# Altium PCB HMI_Board.PcbDoc (part 1 of 3) (continued)
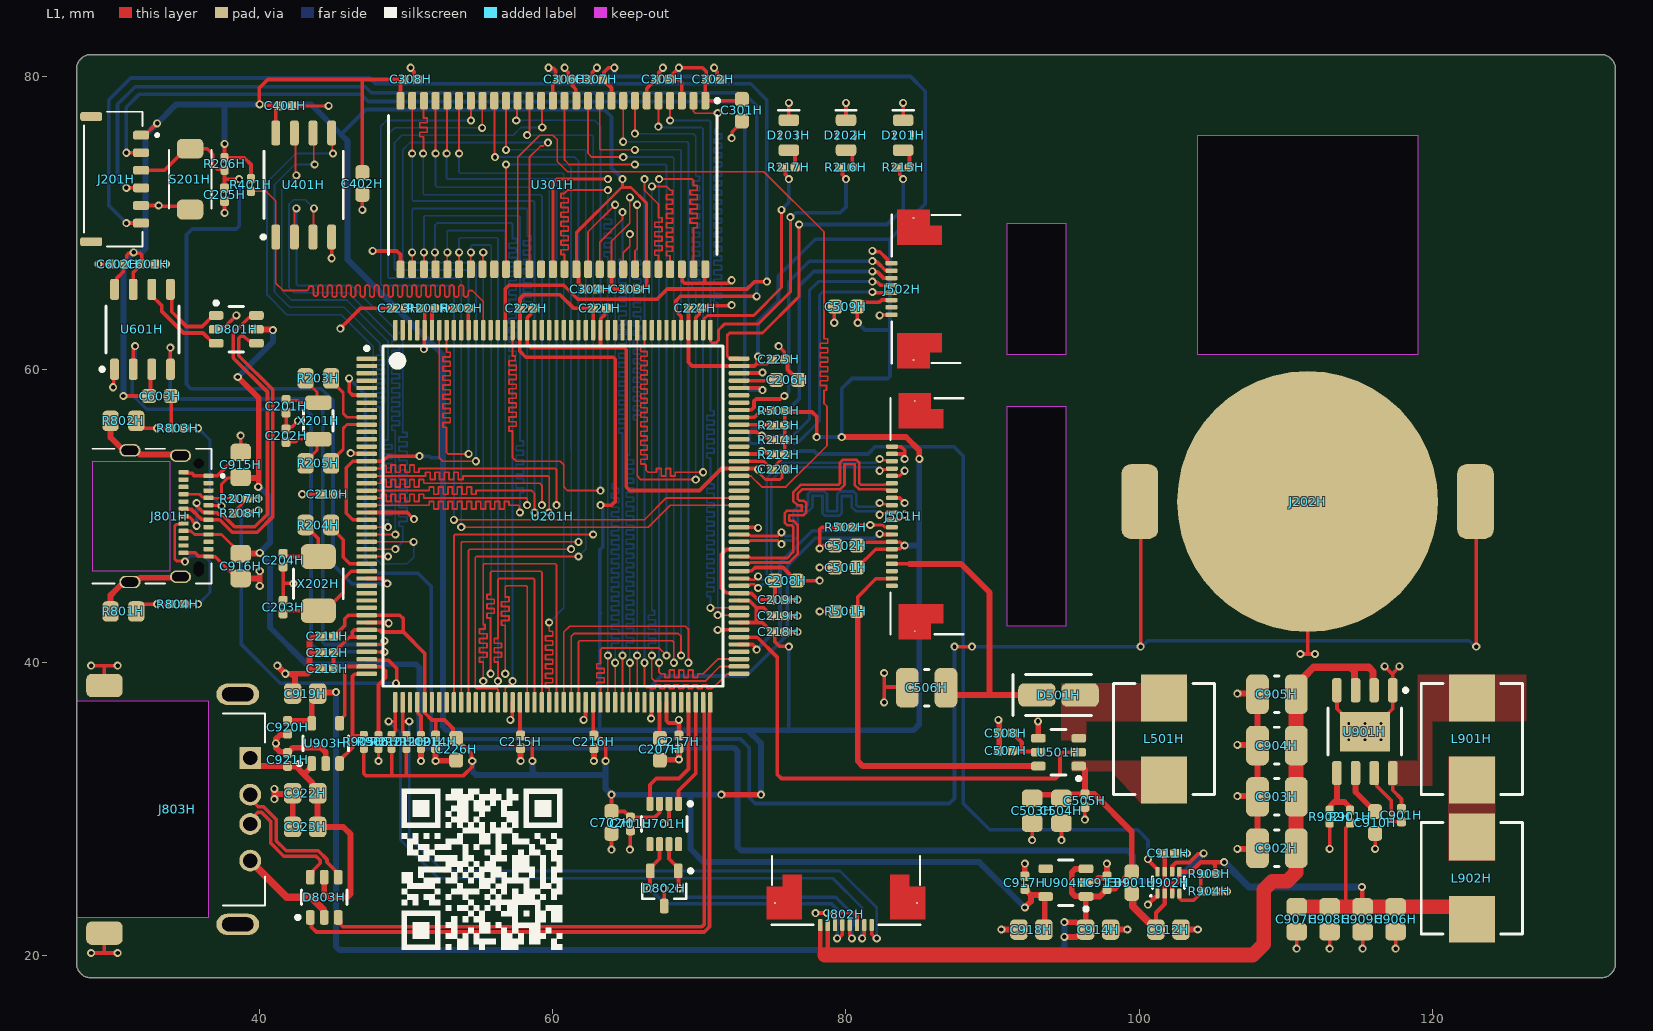
[diagram p0: L1 view]
## Part data (continued)
C205H C209H C210H C211H C212H C213H C214H C215H C216H C217H C218H C219H C220H C221H C222H C223H C224H C225H C302H C303H C304H C305H C306H C307H C308H C401H C505H C507H C508H C601H C602H C701H C901H C911H C913H C917H C920H C921H: "16V 100nF X7R ±10% 0402 Multilayer Ceramic Capacitors MLCC - SMD/SMT ROHS", Manufacturer="Samsung Electro-Mechanics", Manufacturer Part Number=CL05B104KO5NNNC, Supplier Part Number=C1525, ComponentLink1Description=https://datasheet.octopart.com:443/CL05B104KO5NNNC-Samsung-Electro-Mechanics-datasheet-181960518.pdf?src-supplier=IHS, ComponentLink1URL=https://datasheet.octopart.com:443/CL05B104KO5NNNC-Samsung-Electro-Mechanics-datasheet-181960518.pdf?src-supplier=IHS, ComponentLink2Description=https://datasheet.octopart.com:443/CL05B104KO5NNNC-Samsung-Electro-Mechanics-datasheet-81461623.pdf?src-supplier=Upverter, ComponentLink2URL=https://datasheet.octopart.com:443/CL05B104KO5NNNC-Samsung-Electro-Mechanics-datasheet-81461623.pdf?src-supplier=Upverter, ComponentLink3Description=https://datasheet.octopart.com/CL05B104KO5NNNC-Samsung-Electro-Mechanics-datasheet-8324245.pdf, ComponentLink3URL=https://datasheet.octopart.com/CL05B104KO5NNNC-Samsung-Electro-Mechanics-datasheet-8324245.pdf, ComponentLink4Description=https://datasheet.octopart.com/CL05B104KO5NNNC-Samsung-Electro-Mechanics-datasheet-97040617.pdf, ComponentLink4URL=https://datasheet.octopart.com/CL05B104KO5NNNC-Samsung-Electro-Mechanics-datasheet-97040617.pdf, ComponentLink5Description=https://datasheet.octopart.com/General-Multilayer-Ceramic-Capacitors-Samsung-datasheet-family-111.pdf, ComponentLink5URL=https://datasheet.octopart.com/General-Multilayer-Ceramic-Capacitors-Samsung-datasheet-family-111.pdf, ComponentLink6Description=https://datasheet.octopart.com:443/CL05B104KO5NNNC-Samsung-Electro-Mechanics-datasheet-141346863.pdf?src-supplier=Samsung+SCT, ComponentLink6URL=https://datasheet.octopart.com:443/CL05B104KO5NNNC-Samsung-Electro-Mechanics-datasheet-141346863.pdf?src-supplier=Samsung+SCT, ComponentLink7Description=https://datasheet.octopart.com:443/CL05B104KO5NNNC-Samsung-datasheet-151956582.pdf?src-supplier=SOS+electronic, ComponentLink7URL=https://datasheet.octopart.com:443/CL05B104KO5NNNC-Samsung-datasheet-151956582.pdf?src-supplier=SOS+electronic, ComponentLink8Description=https://datasheet.octopart.com:443/CL05B104KO5NNNC-Samsung-datasheet-42485123.pdf?src-supplier=Future+Electronics, ComponentLink8URL=https://datasheet.octopart.com:443/CL05B104KO5NNNC-Samsung-datasheet-42485123.pdf?src-supplier=Future+Electronics, ComponentLink9Description=https://datasheet.octopart.com:443/CL05B104KO5NNNC-Samsung-datasheet-34153835.pdf?src-supplier=Future+Electronics, ComponentLink9URL=https://datasheet.octopart.com:443/CL05B104KO5NNNC-Samsung-datasheet-34153835.pdf?src-supplier=Future+Electronics, ComponentLink10Description=https://datasheet.octopart.com:443/CL05B104KO5NNNC-Samsung-datasheet-26589024.pdf?src-supplier=Future+Electronics, ComponentLink10URL=https://datasheet.octopart.com:443/CL05B104KO5NNNC-Samsung-datasheet-26589024.pdf?src-supplier=Future+Electronics, ComponentLink11Description=https://datasheet.octopart.com:443/CL05B104KO5NNNC-Samsung-Electro-Mechanics-datasheet-149136714.pdf?src-supplier=Future+Electronics, ComponentLink11URL=https://datasheet.octopart.com:443/CL05B104KO5NNNC-Samsung-Electro-Mechanics-datasheet-149136714.pdf?src-supplier=Future+Electronics, ComponentLink12Description=https://datasheet.octopart.com:443/CL05B104KO5NNNC-Samsung-datasheet-59220082.pdf?src-supplier=TME, ComponentLink12URL=https://datasheet.octopart.com:443/CL05B104KO5NNNC-Samsung-datasheet-59220082.pdf?src-supplier=TME, ComponentLink13Description=http://sigma.octopart.com:80/rohs_certificate/General-Multilayer-Ceramic-Capacitors-Samsung-family-110.pdf?src-supplier=Compliance+Statements, ComponentLink13URL=http://sigma.octopart.com:80/rohs_certificate/General-Multilayer-Ceramic-Capacitors-Samsung-family-110.pdf?src-supplier=Compliance+Statements, ComponentLink14Description=http://sigma.octopart.com:80/rohs_statement/General-Multilayer-Ceramic-Capacitors-Samsung-family-132.pdf?src-supplier=Compliance+Statements, ComponentLink14URL=http://sigma.octopart.com:80/rohs_statement/General-Multilayer-Ceramic-Capacitors-Samsung-family-132.pdf?src-supplier=Compliance+Statements, ComponentLink15Description=http://sigma.octopart.com:80/reach_statement/General-Multilayer-Ceramic-Capacitors-Samsung-family-133.pdf?src-supplier=Compliance+Statements, ComponentLink15URL=http://sigma.octopart.com:80/reach_statement/General-Multilayer-Ceramic-Capacitors-Samsung-family-133.pdf?src-supplier=Compliance+Statements, Supplier=LCSC
C206H C207H C208H C226H C301H C402H C501H C502H C509H C603H C702H C910H: "16V 2.2uF X5R ±10% 0603 Multilayer Ceramic Capacitors MLCC - SMD/SMT ROHS", Manufacturer="Samsung Electro-Mechanics", Manufacturer Part Number=CL10A225KO8NNNC, Supplier Part Number=C23630, ComponentLink1Description=https://datasheet.octopart.com:443/CL10A225KO8NNNC-Samsung-Electro-Mechanics-datasheet-136031763.pdf?src-supplier=IHS, ComponentLink1URL=https://datasheet.octopart.com:443/CL10A225KO8NNNC-Samsung-Electro-Mechanics-datasheet-136031763.pdf?src-supplier=IHS, ComponentLink2Description=https://datasheet.octopart.com/CL10A225KO8NNNC-Samsung-Electro-Mechanics-datasheet-8324245.pdf, ComponentLink2URL=https://datasheet.octopart.com/CL10A225KO8NNNC-Samsung-Electro-Mechanics-datasheet-8324245.pdf, ComponentLink3Description=https://datasheet.octopart.com/CL10A225KO8NNNC-Samsung-Electro-Mechanics-datasheet-97040617.pdf, ComponentLink3URL=https://datasheet.octopart.com/CL10A225KO8NNNC-Samsung-Electro-Mechanics-datasheet-97040617.pdf, ComponentLink4Description=https://datasheet.octopart.com/General-Multilayer-Ceramic-Capacitors-Samsung-datasheet-family-111.pdf, ComponentLink4URL=https://datasheet.octopart.com/General-Multilayer-Ceramic-Capacitors-Samsung-datasheet-family-111.pdf, ComponentLink5Description=https://datasheet.octopart.com:443/CL10A225KO8NNNC-Samsung-Electro-Mechanics-datasheet-110326828.pdf?src-supplier=Future+Electronics, ComponentLink5URL=https://datasheet.octopart.com:443/CL10A225KO8NNNC-Samsung-Electro-Mechanics-datasheet-110326828.pdf?src-supplier=Future+Electronics, ComponentLink6Description=https://datasheet.octopart.com:443/CL10A225KO8NNNC-Samsung-Electro-Mechanics-datasheet-81461797.pdf?src-supplier=Future+Electronics, ComponentLink6URL=https://datasheet.octopart.com:443/CL10A225KO8NNNC-Samsung-Electro-Mechanics-datasheet-81461797.pdf?src-supplier=Future+Electronics, ComponentLink7Description=https://datasheet.octopart.com:443/CL10A225KO8NNNC-Samsung-datasheet-48647245.pdf?src-supplier=Future+Electronics, ComponentLink7URL=https://datasheet.octopart.com:443/CL10A225KO8NNNC-Samsung-datasheet-48647245.pdf?src-supplier=Future+Electronics, ComponentLink8Description=https://datasheet.octopart.com:443/CL10A225KO8NNNC-Samsung-datasheet-26589124.pdf?src-supplier=Future+Electronics, ComponentLink8URL=https://datasheet.octopart.com:443/CL10A225KO8NNNC-Samsung-datasheet-26589124.pdf?src-supplier=Future+Electronics, ComponentLink9Description=https://datasheet.octopart.com:443/CL10A225KO8NNNC-Samsung-Electro-Mechanics-datasheet-149156492.pdf?src-supplier=Future+Electronics, ComponentLink9URL=https://datasheet.octopart.com:443/CL10A225KO8NNNC-Samsung-Electro-Mechanics-datasheet-149156492.pdf?src-supplier=Future+Electronics, ComponentLink10Description=https://datasheet.octopart.com:443/CL10A225KO8NNNC-Samsung-Electro-Mechanics-datasheet-11768396.pdf?src-supplier=Arrow+Electronics, ComponentLink10URL=https://datasheet.octopart.com:443/CL10A225KO8NNNC-Samsung-Electro-Mechanics-datasheet-11768396.pdf?src-supplier=Arrow+Electronics, ComponentLink11Description=https://datasheet.octopart.com:443/CL10A225KO8NNNC-Samsung-datasheet-59220082.pdf?src-supplier=TME, ComponentLink11URL=https://datasheet.octopart.com:443/CL10A225KO8NNNC-Samsung-datasheet-59220082.pdf?src-supplier=TME, ComponentLink12Description=http://sigma.octopart.com:80/rohs_certificate/General-Multilayer-Ceramic-Capacitors-Samsung-family-110.pdf?src-supplier=Compliance+Statements, ComponentLink12URL=http://sigma.octopart.com:80/rohs_certificate/General-Multilayer-Ceramic-Capacitors-Samsung-family-110.pdf?src-supplier=Compliance+Statements, ComponentLink13Description=http://sigma.octopart.com:80/rohs_statement/General-Multilayer-Ceramic-Capacitors-Samsung-family-132.pdf?src-supplier=Compliance+Statements, ComponentLink13URL=http://sigma.octopart.com:80/rohs_statement/General-Multilayer-Ceramic-Capacitors-Samsung-family-132.pdf?src-supplier=Compliance+Statements, ComponentLink14Description=http://sigma.octopart.com:80/reach_statement/General-Multilayer-Ceramic-Capacitors-Samsung-family-133.pdf?src-supplier=Compliance+Statements, ComponentLink14URL=http://sigma.octopart.com:80/reach_statement/General-Multilayer-Ceramic-Capacitors-Samsung-family-133.pdf?src-supplier=Compliance+Statements, Supplier=LCSC
C503H C504H C906H C907H C908H C909H C912H C914H C915H C916H C918H C919H C922H C923H: "Multilayer Ceramic Capacitor, 22 uF, 25 V, ± 20%, X5R, 0805 [2012 Metric]", Manufacturer="Samsung Electro-Mechanics", Manufacturer Part Number=CL21A226MAQNNNE, Supplier Part Number=C45783, ComponentLink1Description=https://datasheet.octopart.com:443/CL21A226MAQNNNE-Samsung-Electro-Mechanics-datasheet-182022794.pdf?src-supplier=IHS, ComponentLink1URL=https://datasheet.octopart.com:443/CL21A226MAQNNNE-Samsung-Electro-Mechanics-datasheet-182022794.pdf?src-supplier=IHS, ComponentLink2Description=https://datasheet.octopart.com/CL21A226MAQNNNE-Samsung-Electro-Mechanics-datasheet-97040617.pdf, ComponentLink2URL=https://datasheet.octopart.com/CL21A226MAQNNNE-Samsung-Electro-Mechanics-datasheet-97040617.pdf, ComponentLink3Description=https://datasheet.octopart.com/CL21A226MAQNNNE-Samsung-Electro-Mechanics-datasheet-8324245.pdf, ComponentLink3URL=https://datasheet.octopart.com/CL21A226MAQNNNE-Samsung-Electro-Mechanics-datasheet-8324245.pdf, ComponentLink4Description=https://datasheet.octopart.com:443/CL21A226MAQNNNE-Samsung-Electro-Mechanics-datasheet-87580133.pdf?src-supplier=Future+Electronics, ComponentLink4URL=https://datasheet.octopart.com:443/CL21A226MAQNNNE-Samsung-Electro-Mechanics-datasheet-87580133.pdf?src-supplier=Future+Electronics, ComponentLink5Description=https://datasheet.octopart.com:443/CL21A226MAQNNNE-Samsung-Electro-Mechanics-datasheet-81462139.pdf?src-supplier=Future+Electronics, ComponentLink5URL=https://datasheet.octopart.com:443/CL21A226MAQNNNE-Samsung-Electro-Mechanics-datasheet-81462139.pdf?src-supplier=Future+Electronics, ComponentLink6Description=https://datasheet.octopart.com:443/CL21A226MAQNNNE-Samsung-datasheet-66660282.pdf?src-supplier=Future+Electronics, ComponentLink6URL=https://datasheet.octopart.com:443/CL21A226MAQNNNE-Samsung-datasheet-66660282.pdf?src-supplier=Future+Electronics, ComponentLink7Description=https://datasheet.octopart.com:443/CL21A226MAQNNNE-Samsung-datasheet-48647558.pdf?src-supplier=Future+Electronics, ComponentLink7URL=https://datasheet.octopart.com:443/CL21A226MAQNNNE-Samsung-datasheet-48647558.pdf?src-supplier=Future+Electronics, ComponentLink8Description=https://datasheet.octopart.com:443/CL21A226MAQNNNE-Samsung-datasheet-27135701.pdf?src-supplier=Future+Electronics, ComponentLink8URL=https://datasheet.octopart.com:443/CL21A226MAQNNNE-Samsung-datasheet-27135701.pdf?src-supplier=Future+Electronics, ComponentLink9Description=https://datasheet.octopart.com:443/CL21A226MAQNNNE-Samsung-Electro-Mechanics-datasheet-149154242.pdf?src-supplier=Future+Electronics, ComponentLink9URL=https://datasheet.octopart.com:443/CL21A226MAQNNNE-Samsung-Electro-Mechanics-datasheet-149154242.pdf?src-supplier=Future+Electronics, ComponentLink10Description=https://datasheet.octopart.com:443/CL21A226MAQNNNE-Samsung-datasheet-59220082.pdf?src-supplier=TME, ComponentLink10URL=https://datasheet.octopart.com:443/CL21A226MAQNNNE-Samsung-datasheet-59220082.pdf?src-supplier=TME, Supplier=LCSC
C506H C902H C903H C904H C905H: "100V 10uF X7S ±10% 1210 Multilayer Ceramic Capacitors MLCC - SMD/SMT ROHS", Manufacturer=Murata, Manufacturer Part Number=GRM32EC72A106KE05L, Supplier Part Number=C576517, ComponentLink1Description=https://datasheet.octopart.com:443/GRM32EC72A106KE05L-Murata-datasheet-141281477.pdf?src-supplier=Geoflip, ComponentLink1URL=https://datasheet.octopart.com:443/GRM32EC72A106KE05L-Murata-datasheet-141281477.pdf?src-supplier=Geoflip, ComponentLink2Description=https://datasheet.octopart.com:443/GRM32EC72A106KE05L-Murata-datasheet-165579666.pdf?src-supplier=TME, ComponentLink2URL=https://datasheet.octopart.com:443/GRM32EC72A106KE05L-Murata-datasheet-165579666.pdf?src-supplier=TME, ComponentLink3Description=https://datasheet.octopart.com:443/GRM32EC72A106KE05L-Murata-datasheet-140709574.pdf?src-supplier=Ciiva, ComponentLink3URL=https://datasheet.octopart.com:443/GRM32EC72A106KE05L-Murata-datasheet-140709574.pdf?src-supplier=Ciiva, ComponentLink4Description=https://datasheet.octopart.com:443/GRM32EC72A106KE05L-Murata-datasheet-138746841.pdf?src-supplier=Ciiva, ComponentLink4URL=https://datasheet.octopart.com:443/GRM32EC72A106KE05L-Murata-datasheet-138746841.pdf?src-supplier=Ciiva, ComponentLink5Description=https://datasheet.octopart.com/GRM32EC72A106KE05L-Murata-datasheet-12515295.pdf, ComponentLink5URL=https://datasheet.octopart.com/GRM32EC72A106KE05L-Murata-datasheet-12515295.pdf, ComponentLink6Description=https://datasheet.octopart.com/GRM32EC72A106KE05L-Murata-datasheet-12510076.pdf, ComponentLink6URL=https://datasheet.octopart.com/GRM32EC72A106KE05L-Murata-datasheet-12510076.pdf, ComponentLink7Description=https://datasheet.octopart.com/GRM32EC72A106KE05L-Murata-datasheet-11978611.pdf, ComponentLink7URL=https://datasheet.octopart.com/GRM32EC72A106KE05L-Murata-datasheet-11978611.pdf, ComponentLink8Description=https://datasheet.octopart.com/GRM32EC72A106KE05L-Murata-datasheet-10025737.pdf, ComponentLink8URL=https://datasheet.octopart.com/GRM32EC72A106KE05L-Murata-datasheet-10025737.pdf, ComponentLink9Description=https://datasheet.octopart.com/GRM32EC72A106KE05L-Murata-datasheet-8819587.pdf, ComponentLink9URL=https://datasheet.octopart.com/GRM32EC72A106KE05L-Murata-datasheet-8819587.pdf, ComponentLink10Description=http://sigma.octopart.com:80/reach_statement/Murata-company-16.pdf?src-supplier=Compliance+Statements, ComponentLink10URL=http://sigma.octopart.com:80/reach_statement/Murata-company-16.pdf?src-supplier=Compliance+Statements, Supplier=LCSC
D201H D202H D203H: "-30℃~+85℃ 1.6V~2.6V 130° 195mcd 25mA 615nm~630nm 630nm 65mW Discrete Diode Red 0805 LED Indication - Discrete ROHS", Manufacturer="Foshan NationStar Optoelectronics", Supplier Part Number=C84256, Manufacturer Part Number=NCD0805R1, Supplier=LCSC
D501H: "Schottky Diode, 2A 100V", Manufacturer="MDD(Microdiode Semiconductor)", Supplier Part Number=C14996, Manufacturer Part Number=SS210, Supplier=LCSC
D801H D803H: "-40℃~+125℃ 150nA 17V 2 3.5pF 5.25V 5A 6V ESD IEC 61000-4-2 Unidirectional SOT-23-6L ESD and Surge Protection (TVS/ESD) ROHS", Manufacturer=STMicroelectronics, Supplier Part Number=C7519, ComponentLink1Description=https://datasheet.octopart.com:443/USBLC6-2P6-STMicroelectronics-datasheet-10412581.pdf?src-supplier=element14+APAC, ComponentLink1URL=https://datasheet.octopart.com:443/USBLC6-2P6-STMicroelectronics-datasheet-10412581.pdf?src-supplier=element14+APAC, ComponentLink2Description=https://datasheet.octopart.com:443/USBLC6-2P6-STMicroelectronics-datasheet-525477.pdf?src-supplier=Factory+Futures, ComponentLink2URL=https://datasheet.octopart.com:443/USBLC6-2P6-STMicroelectronics-datasheet-525477.pdf?src-supplier=Factory+Futures, ComponentLink3Description=https://datasheet.octopart.com:443/USBLC6-2P6-STMicroelectronics-datasheet-181961833.pdf?src-supplier=Newark, ComponentLink3URL=https://datasheet.octopart.com:443/USBLC6-2P6-STMicroelectronics-datasheet-181961833.pdf?src-supplier=Newark, ComponentLink4Description=https://datasheet.octopart.com:443/USBLC6-2P6-STMicroelectronics-datasheet-46285.pdf?src-supplier=Farnell, ComponentLink4URL=https://datasheet.octopart.com:443/USBLC6-2P6-STMicroelectronics-datasheet-46285.pdf?src-supplier=Farnell, ComponentLink5Description=https://datasheet.octopart.com:443/USBLC6-2P6-STMicroelectronics-datasheet-14050643.pdf?src-supplier=iiiC, ComponentLink5URL=https://datasheet.octopart.com:443/USBLC6-2P6-STMicroelectronics-datasheet-14050643.pdf?src-supplier=iiiC, ComponentLink6Description=https://datasheet.octopart.com:443/USBLC6-2P6-STMicroelectronics-datasheet-7828165.pdf?src-supplier=Jameco, ComponentLink6URL=https://datasheet.octopart.com:443/USBLC6-2P6-STMicroelectronics-datasheet-7828165.pdf?src-supplier=Jameco, Manufacturer Part Number=USBLC6-2SC6, Supplier=LCSC
D802H: "Automotive, dual 1.75pF ±24-V ±20-kV ESD protection diode for in-vehicle networks", Manufacturer="Texas Instruments", Supplier Part Number=C20345393, ComponentLink1Description=https://sigma.octopart.com:443/179129137/technical_drawing/Texas-Instruments-ESD2CANXL24DBZRQ1.pdf?src-supplier=Texas+Instruments, ComponentLink1URL=https://sigma.octopart.com:443/179129137/technical_drawing/Texas-Instruments-ESD2CANXL24DBZRQ1.pdf?src-supplier=Texas+Instruments, ComponentLink2Description=https://octopart.com:443/opatz8j6/c1?t=lNR_6sRHLPKw7P8s1f-P04G22oHVbNzLWIWsPGfWTXZ9XRQIvcA5wj7aC-3bH0hinutt4AnjL7p6lgyA7lOHjNt8nBmo7xetRU4eexJqdWdGJCmrDm-BWyIS_TvcQf3t1-nq1wS0AqH4-vRTWGrmWgud7pC0fyJDAEbjYJVT_McMvhHa8-DYyuNa33bEgm-4l-4f_LsuvkAfuxVyDYdP7eVVi8b2TRcUoqK1F4h2YfS05PEe3uCTNQAZT15EaK8Rv7aQinqmq15SoS-3EdZkqgYMfTiBeQ057CxLqHSGnbTzgE5D5or64hT-WVm7dN6eS7KK1x9JT8od4UsAxEVxyxTWGLSfv0bhoA6oAuQ233aPK6tgUaVUJzFwomW_15-JhpjxqKHvsXcmqo3K&src-supplier=Texas+Instruments, ComponentLink2URL=https://octopart.com:443/opatz8j6/c1?t=lNR_6sRHLPKw7P8s1f-P04G22oHVbNzLWIWsPGfWTXZ9XRQIvcA5wj7aC-3bH0hinutt4AnjL7p6lgyA7lOHjNt8nBmo7xetRU4eexJqdWdGJCmrDm-BWyIS_TvcQf3t1-nq1wS0AqH4-vRTWGrmWgud7pC0fyJDAEbjYJVT_McMvhHa8-DYyuNa33bEgm-4l-4f_LsuvkAfuxVyDYdP7eVVi8b2TRcUoqK1F4h2YfS05PEe3uCTNQAZT15EaK8Rv7aQinqmq15SoS-3EdZkqgYMfTiBeQ057CxLqHSGnbTzgE5D5or64hT-WVm7dN6eS7KK1x9JT8od4UsAxEVxyxTWGLSfv0bhoA6oAuQ233aPK6tgUaVUJzFwomW_15-JhpjxqKHvsXcmqo3K&src-supplier=Texas+Instruments, ComponentLink3Description=https://sigma.octopart.com:443/169406038/technical_drawing/Texas-Instruments-ESD2CANXL24DBZRQ1.pdf?src-supplier=Texas+Instruments, ComponentLink3URL=https://sigma.octopart.com:443/169406038/technical_drawing/Texas-Instruments-ESD2CANXL24DBZRQ1.pdf?src-supplier=Texas+Instruments, ComponentLink4Description=http://sigma.octopart.com:80/reach_statement/Texas-Instruments-company-64.pdf?src-supplier=Compliance+Statements, ComponentLink4URL=http://sigma.octopart.com:80/reach_statement/Texas-Instruments-company-64.pdf?src-supplier=Compliance+Statements, ComponentLink5Description=http://sigma.octopart.com:80/conflict_mineral_statement/Texas-Instruments-company-63.pdf?src-supplier=Compliance+Statements, ComponentLink5URL=http://sigma.octopart.com:80/conflict_mineral_statement/Texas-Instruments-company-63.pdf?src-supplier=Compliance+Statements, Manufacturer Part Number=ESD2CANXL24DBZRQ1, Supplier=LCSC
FB901H: "Ferrite Beads Multi-Layer Chip Bead 30Ohm 25% 100MHz 5A 0603 Paper T/R", Manufacturer=Murata, Supplier Part Number=C88982, ComponentLink1Description=https://datasheet.octopart.com:443/BLM18KG300TN1D-Murata-datasheet-180806579.pdf?src-supplier=IHS, ComponentLink1URL=https://datasheet.octopart.com:443/BLM18KG300TN1D-Murata-datasheet-180806579.pdf?src-supplier=IHS, ComponentLink2Description=https://datasheet.octopart.com:443/BLM18KG300TN1D-Murata-datasheet-32036517.pdf?src-supplier=Newark, ComponentLink2URL=https://datasheet.octopart.com:443/BLM18KG300TN1D-Murata-datasheet-32036517.pdf?src-supplier=Newark, ComponentLink3Description=https://datasheet.octopart.com:443/BLM18KG300TN1D-Murata-datasheet-141257998.pdf?src-supplier=Ciiva, ComponentLink3URL=https://datasheet.octopart.com:443/BLM18KG300TN1D-Murata-datasheet-141257998.pdf?src-supplier=Ciiva, ComponentLink4Description=https://datasheet.octopart.com:443/BLM18KG300TN1D-Murata-datasheet-138707124.pdf?src-supplier=Ciiva, ComponentLink4URL=https://datasheet.octopart.com:443/BLM18KG300TN1D-Murata-datasheet-138707124.pdf?src-supplier=Ciiva, ComponentLink5Description=https://datasheet.octopart.com:443/BLM18KG300TN1D-Murata-datasheet-151955973.pdf?src-supplier=SOS+electronic, ComponentLink5URL=https://datasheet.octopart.com:443/BLM18KG300TN1D-Murata-datasheet-151955973.pdf?src-supplier=SOS+electronic, ComponentLink6Description=https://datasheet.octopart.com:443/BLM18KG300TN1D-Murata-datasheet-113093508.pdf?src-supplier=Future+Electronics, ComponentLink6URL=https://datasheet.octopart.com:443/BLM18KG300TN1D-Murata-datasheet-113093508.pdf?src-supplier=Future+Electronics, ComponentLink7Description=https://datasheet.octopart.com:443/BLM18KG300TN1D-Murata-datasheet-64290213.pdf?src-supplier=Future+Electronics, ComponentLink7URL=https://datasheet.octopart.com:443/BLM18KG300TN1D-Murata-datasheet-64290213.pdf?src-supplier=Future+Electronics, ComponentLink8Description=https://datasheet.octopart.com/BLM18KG300TN1D-Murata-datasheet-37129980.pdf, ComponentLink8URL=https://datasheet.octopart.com/BLM18KG300TN1D-Murata-datasheet-37129980.pdf, ComponentLink9Description=https://datasheet.octopart.com:443/BLM18KG300TN1D-Murata-datasheet-11550489.pdf?src-supplier=Arrow+Electronics, ComponentLink9URL=https://datasheet.octopart.com:443/BLM18KG300TN1D-Murata-datasheet-11550489.pdf?src-supplier=Arrow+Electronics, ComponentLink10Description=http://sigma.octopart.com:80/reach_statement/Murata-company-16.pdf?src-supplier=Compliance+Statements, ComponentLink10URL=http://sigma.octopart.com:80/reach_statement/Murata-company-16.pdf?src-supplier=Compliance+Statements, Manufacturer Part Number=BLM18KG300TN1D, Supplier=LCSC
J201H: "1 1.2mm 1x6P 2.5mm 6 6P Black Copper alloy Gold LCP Surface Mount, Right Angle UL94V-0 SMD,P=1.2mm,Surface Mount，Right Angle Wire To Board Connector ROHS", Manufacturer="Amphenol ICC", Manufacturer Part Number=10125839-06RAEHLF, Supplier Part Number=C180227, Supplier=LCSC
J202H: library part BAT-HLD-002-SMT, "BATTERY RETAINER COIN 20MM SMD", Manufacturer="TE Connectivity Linx", Supplier Part Number=BAT-HLD-002-SMT-ND, Manufacturer Part Number=BAT-HLD-002-SMT, Supplier=DigiKey
J501H: "FFC / FPC Connectors FFC, FPC Contacts, Top Surface Mount, Right Angle T/R", Manufacturer=Molex, Manufacturer Part Number=52745-2097, Supplier Part Number=C164167, ComponentLink1Description=https://datasheet.octopart.com:443/52745-2097-Molex-datasheet-180776580.pdf?src-supplier=IHS, ComponentLink1URL=https://datasheet.octopart.com:443/52745-2097-Molex-datasheet-180776580.pdf?src-supplier=IHS, ComponentLink2Description=https://datasheet.octopart.com:443/52745-2097-Molex-datasheet-13775033.pdf?src-supplier=Molex, ComponentLink2URL=https://datasheet.octopart.com:443/52745-2097-Molex-datasheet-13775033.pdf?src-supplier=Molex, ComponentLink3Description=https://sigma.octopart.com:443/15649097/technical_drawing/Molex-52745-2097.pdf?src-supplier=Molex, ComponentLink3URL=https://sigma.octopart.com:443/15649097/technical_drawing/Molex-52745-2097.pdf?src-supplier=Molex, ComponentLink4Description=https://datasheet.octopart.com:443/527452097-Molex-datasheet-8335871.pdf?src-supplier=Factory+Futures, ComponentLink4URL=https://datasheet.octopart.com:443/527452097-Molex-datasheet-8335871.pdf?src-supplier=Factory+Futures, ComponentLink5Description=https://datasheet.octopart.com:443/52745-2097-Molex-datasheet-11535467.pdf?src-supplier=Arrow+Electronics, ComponentLink5URL=https://datasheet.octopart.com:443/52745-2097-Molex-datasheet-11535467.pdf?src-supplier=Arrow+Electronics, ComponentLink6Description=https://datasheet.octopart.com:443/0527452097-Molex-datasheet-11973683.pdf?src-supplier=Arrow+Electronics, ComponentLink6URL=https://datasheet.octopart.com:443/0527452097-Molex-datasheet-11973683.pdf?src-supplier=Arrow+Electronics, ComponentLink7Description=https://datasheet.octopart.com:443/52745-2097-Molex-datasheet-154755790.pdf?src-supplier=Master+Electronics, ComponentLink7URL=https://datasheet.octopart.com:443/52745-2097-Molex-datasheet-154755790.pdf?src-supplier=Master+Electronics, ComponentLink8Description=https://datasheet.octopart.com:443/52745-2097-Molex-datasheet-66628635.pdf?src-supplier=element14+APAC, ComponentLink8URL=https://datasheet.octopart.com:443/52745-2097-Molex-datasheet-66628635.pdf?src-supplier=element14+APAC, ComponentLink9Description=https://datasheet.octopart.com:443/52745-2097-Molex-datasheet-140186386.pdf?src-supplier=RS+(Formerly+Allied+Electronics), ComponentLink9URL=https://datasheet.octopart.com:443/52745-2097-Molex-datasheet-140186386.pdf?src-supplier=RS+(Formerly+Allied+Electronics), ComponentLink10Description=https://datasheet.octopart.com:443/52745-2097-Molex-datasheet-120153567.pdf?src-supplier=RS+(Formerly+Allied+Electronics), ComponentLink10URL=https://datasheet.octopart.com:443/52745-2097-Molex-datasheet-120153567.pdf?src-supplier=RS+(Formerly+Allied+Electronics), ComponentLink11Description=https://datasheet.octopart.com:443/52745-2097-Molex-datasheet-62059355.pdf?src-supplier=RS+(Formerly+Allied+Electronics), ComponentLink11URL=https://datasheet.octopart.com:443/52745-2097-Molex-datasheet-62059355.pdf?src-supplier=RS+(Formerly+Allied+Electronics), ComponentLink12Description=https://datasheet.octopart.com:443/52745-2097-Molex-datasheet-77521212.pdf?src-supplier=Newark, ComponentLink12URL=https://datasheet.octopart.com:443/52745-2097-Molex-datasheet-77521212.pdf?src-supplier=Newark, ComponentLink13Description=https://datasheet.octopart.com:443/52745-2097-Molex-datasheet-62116793.pdf?src-supplier=Electro+Sonic, ComponentLink13URL=https://datasheet.octopart.com:443/52745-2097-Molex-datasheet-62116793.pdf?src-supplier=Electro+Sonic, ComponentLink14Description=https://datasheet.octopart.com:443/52745-2097-Molex-datasheet-28806792.pdf?src-supplier=TME, ComponentLink14URL=https://datasheet.octopart.com:443/52745-2097-Molex-datasheet-28806792.pdf?src-supplier=TME, ComponentLink15Description=https://datasheet.octopart.com:443/52745-2097-Molex-datasheet-10979466.pdf?src-supplier=Farnell, ComponentLink15URL=https://datasheet.octopart.com:443/52745-2097-Molex-datasheet-10979466.pdf?src-supplier=Farnell, ComponentLink16Description=https://datasheet.octopart.com:443/52745-2097-Molex-datasheet-8878058.pdf?src-supplier=Farnell, ComponentLink16URL=https://datasheet.octopart.com:443/52745-2097-Molex-datasheet-8878058.pdf?src-supplier=Farnell, ComponentLink17Description=http://sigma.octopart.com:80/15649113/rohs_statement/Molex-52745-2097.pdf?src-supplier=Compliance+Statements, ComponentLink17URL=http://sigma.octopart.com:80/15649113/rohs_statement/Molex-52745-2097.pdf?src-supplier=Compliance+Statements, ComponentLink18Description=http://sigma.octopart.com:80/reach_statement/Molex-company-74.pdf?src-supplier=Compliance+Statements, ComponentLink18URL=http://sigma.octopart.com:80/reach_statement/Molex-company-74.pdf?src-supplier=Compliance+Statements, ComponentLink19Description=http://sigma.octopart.com:80/rohs_statement/Molex-company-73.pdf?src-supplier=Compliance+Statements, ComponentLink19URL=http://sigma.octopart.com:80/rohs_statement/Molex-company-73.pdf?src-supplier=Compliance+Statements, ComponentLink20Description=http://sigma.octopart.com:80/conflict_mineral_statement/Molex-company-72.pdf?src-supplier=Compliance+Statements, ComponentLink20URL=http://sigma.octopart.com:80/conflict_mineral_statement/Molex-company-72.pdf?src-supplier=Compliance+Statements, Supplier=LCSC
J502H J802H: "FFC / FPC Board Connector, 0.5 mm, 8 Contacts, Receptacle, Easy-On 52745 Series, Surface Mount", Manufacturer=Molex, Manufacturer Part Number=52745-0897, Supplier Part Number=C277391, ComponentLink1Description=https://datasheet.octopart.com:443/52745-0897-Molex-datasheet-180776580.pdf?src-supplier=IHS, ComponentLink1URL=https://datasheet.octopart.com:443/52745-0897-Molex-datasheet-180776580.pdf?src-supplier=IHS, ComponentLink2Description=https://datasheet.octopart.com:443/52745-0897-Molex-datasheet-13777365.pdf?src-supplier=Sager+Electronics, ComponentLink2URL=https://datasheet.octopart.com:443/52745-0897-Molex-datasheet-13777365.pdf?src-supplier=Sager+Electronics, ComponentLink3Description=https://datasheet.octopart.com:443/0527450897-Molex-datasheet-155331244.pdf?src-supplier=Sager+Electronics, ComponentLink3URL=https://datasheet.octopart.com:443/0527450897-Molex-datasheet-155331244.pdf?src-supplier=Sager+Electronics, ComponentLink4Description=https://sigma.octopart.com:443/15649097/technical_drawing/Molex-52745-0897.pdf?src-supplier=Molex, ComponentLink4URL=https://sigma.octopart.com:443/15649097/technical_drawing/Molex-52745-0897.pdf?src-supplier=Molex, ComponentLink5Description=https://datasheet.octopart.com:443/527450897-Molex-datasheet-8335871.pdf?src-supplier=Molex, ComponentLink5URL=https://datasheet.octopart.com:443/527450897-Molex-datasheet-8335871.pdf?src-supplier=Molex, ComponentLink6Description=https://datasheet.octopart.com:443/52745-0897-Molex-datasheet-66420196.pdf?src-supplier=Farnell, ComponentLink6URL=https://datasheet.octopart.com:443/52745-0897-Molex-datasheet-66420196.pdf?src-supplier=Farnell, ComponentLink7Description=https://datasheet.octopart.com:443/52745-0897-Molex-datasheet-17587070.pdf?src-supplier=Farnell, ComponentLink7URL=https://datasheet.octopart.com:443/52745-0897-Molex-datasheet-17587070.pdf?src-supplier=Farnell, ComponentLink8Description=https://datasheet.octopart.com:443/52745-0897-Molex-datasheet-66628626.pdf?src-supplier=element14+APAC, ComponentLink8URL=https://datasheet.octopart.com:443/52745-0897-Molex-datasheet-66628626.pdf?src-supplier=element14+APAC, ComponentLink9Description=https://datasheet.octopart.com:443/52745-0897.-Molex-datasheet-68625854.pdf?src-supplier=element14+APAC, ComponentLink9URL=https://datasheet.octopart.com:443/52745-0897.-Molex-datasheet-68625854.pdf?src-supplier=element14+APAC, ComponentLink10Description=https://datasheet.octopart.com:443/52745-0897-Molex-datasheet-48881491.pdf?src-supplier=element14+APAC, ComponentLink10URL=https://datasheet.octopart.com:443/52745-0897-Molex-datasheet-48881491.pdf?src-supplier=element14+APAC, ComponentLink11Description=https://datasheet.octopart.com:443/52745-0897-Molex-datasheet-154755773.pdf?src-supplier=Master+Electronics, ComponentLink11URL=https://datasheet.octopart.com:443/52745-0897-Molex-datasheet-154755773.pdf?src-supplier=Master+Electronics, ComponentLink12Description=https://datasheet.octopart.com:443/52745-0897-Molex-datasheet-140186379.pdf?src-supplier=RS+(Formerly+Allied+Electronics), ComponentLink12URL=https://datasheet.octopart.com:443/52745-0897-Molex-datasheet-140186379.pdf?src-supplier=RS+(Formerly+Allied+Electronics), ComponentLink13Description=https://datasheet.octopart.com:443/52745-0897-Molex-datasheet-120153560.pdf?src-supplier=RS+(Formerly+Allied+Electronics), ComponentLink13URL=https://datasheet.octopart.com:443/52745-0897-Molex-datasheet-120153560.pdf?src-supplier=RS+(Formerly+Allied+Electronics), ComponentLink14Description=https://datasheet.octopart.com:443/52745-0897-Molex-datasheet-28806792.pdf?src-supplier=RS+(Formerly+Allied+Electronics), ComponentLink14URL=https://datasheet.octopart.com:443/52745-0897-Molex-datasheet-28806792.pdf?src-supplier=RS+(Formerly+Allied+Electronics), ComponentLink15Description=https://datasheet.octopart.com:443/52745-0897-Molex-datasheet-21218790.pdf?src-supplier=TME, ComponentLink15URL=https://datasheet.octopart.com:443/52745-0897-Molex-datasheet-21218790.pdf?src-supplier=TME, ComponentLink16Description=https://datasheet.octopart.com:443/0527450897-Molex-datasheet-11838050.pdf?src-supplier=Arrow+Electronics, ComponentLink16URL=https://datasheet.octopart.com:443/0527450897-Molex-datasheet-11838050.pdf?src-supplier=Arrow+Electronics, ComponentLink17Description=https://datasheet.octopart.com:443/0527450897-Molex-datasheet-11618016.pdf?src-supplier=Arrow+Electronics, ComponentLink17URL=https://datasheet.octopart.com:443/0527450897-Molex-datasheet-11618016.pdf?src-supplier=Arrow+Electronics, ComponentLink18Description=http://sigma.octopart.com:80/15649100/rohs_statement/Molex-52745-0897.pdf?src-supplier=Compliance+Statements, ComponentLink18URL=http://sigma.octopart.com:80/15649100/rohs_statement/Molex-52745-0897.pdf?src-supplier=Compliance+Statements, ComponentLink19Description=http://sigma.octopart.com:80/reach_statement/Molex-company-74.pdf?src-supplier=Compliance+Statements, ComponentLink19URL=http://sigma.octopart.com:80/reach_statement/Molex-company-74.pdf?src-supplier=Compliance+Statements, ComponentLink20Description=http://sigma.octopart.com:80/rohs_statement/Molex-company-73.pdf?src-supplier=Compliance+Statements, ComponentLink20URL=http://sigma.octopart.com:80/rohs_statement/Molex-company-73.pdf?src-supplier=Compliance+Statements, ComponentLink21Description=http://sigma.octopart.com:80/conflict_mineral_statement/Molex-company-72.pdf?src-supplier=Compliance+Statements, ComponentLink21URL=http://sigma.octopart.com:80/conflict_mineral_statement/Molex-company-72.pdf?src-supplier=Compliance+Statements, Supplier=LCSC